# Altium PCB node24.PcbDoc (part 9 of 10)
Units mm, origin at the board's own origin, x right, y up, seen from the top; angles counter-clockwise.
Board outline 177.92 x 177.92 mm, 6 copper layers (L1 - Signal 1 (Top), L2 - Signal 2, L3 - Ground, L4 - Power, L5 - Signal 3, L6 - Signal 4 (Bot)), stack 1.511 mm thick; 721 components, 595 nets, 2782 pads, 2075 vias.
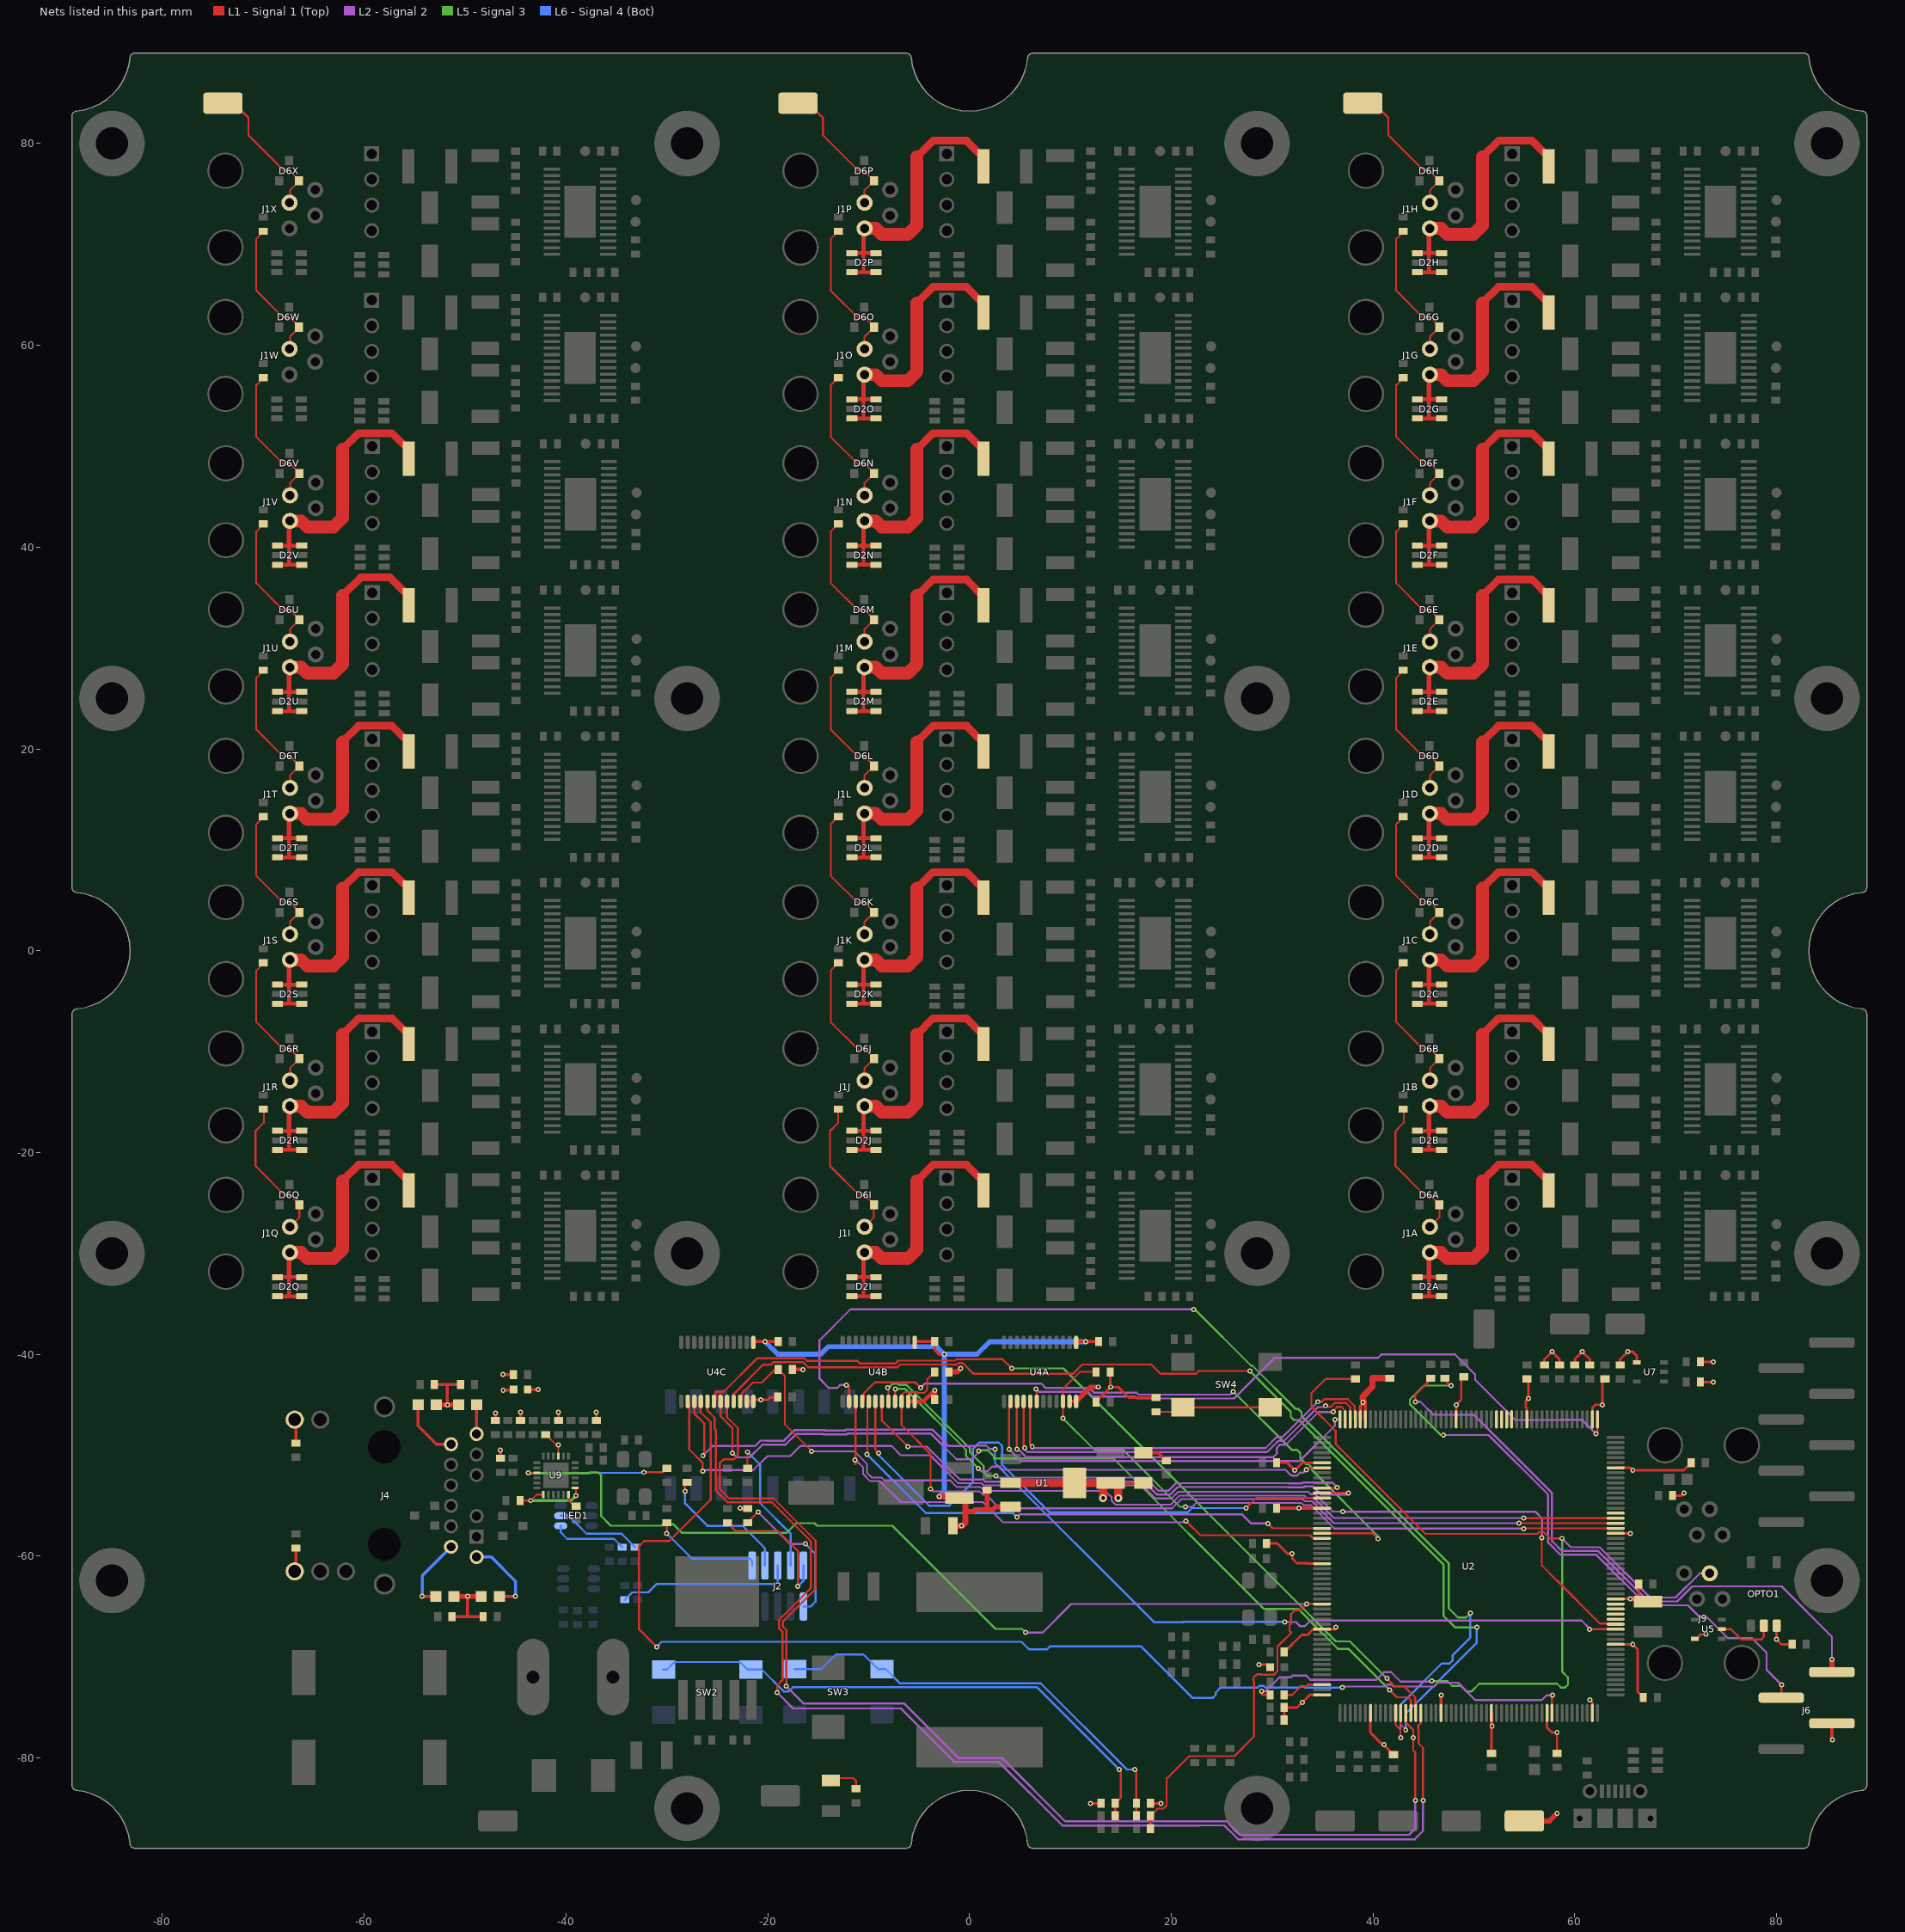
[diagram p13: the nets of this part, all layers, seen from the top]

## Via types
v1: diameter 0.508, hole 0.254, L1 - Signal 1 (Top) to L6 - Signal 4 (Bot), tented both sides, 1661 vias
v2: diameter 0.762, hole 0.381, L1 - Signal 1 (Top) to L6 - Signal 4 (Bot), 403 vias
v3: diameter 0.508, hole 0.254, L1 - Signal 1 (Top) to L6 - Signal 4 (Bot), 11 vias

## Nets (pads, with @x,y where several pads share a name; then routed paths per layer and width w, separated by ;. In a path a pad name is that pad's centre, name@x,y a point inside that pad or via, vN(x,y) a via of type N, cw(c..) or ccw(c..) an arc to the next point about the centre after c; other vN are vias at no path point) (continued)
LED-BANKA-MOSI-3: U2.157 U4A.18 | length 64
  L1 - Signal 1 (Top) w0.203: v1(6.604,-43.434) 6.675,-43.505 U4A.18@6.675,-44.675 ; v1(62.103,-47.879) 62.25,-47.732 U2.157@62.25,-46.45
  L2 - Signal 2 w0.203: v1(6.604,-43.434) 6.903,-43.733 11.739,-43.733 12.209,-44.204 16.426,-44.204 16.606,-44.384 26.224,-44.384 30.24,-40.368 40.479,-40.368 40.832,-40.014 48.137,-40.014 50.135,-42.012 50.135,-42.524 54.119,-46.508 58.598,-46.508 58.624,-46.481 60.705,-46.481 v1(62.103,-47.879)
LED-BANKA-MOSI-4: U2.205 U4A.17 | length 40.2
  L1 - Signal 1 (Top) w0.203: U4A.17@6.025,-44.675 6.025,-48.951 v1(6.223,-49.149) ; v1(34.534,-44.701) 34.932,-44.701 35.183,-44.45 36.038,-44.45 36.043,-44.445 37.494,-44.445 38.182,-45.133 38.182,-46.382 U2.205@38.25,-46.45
  L2 - Signal 2 w0.203: v1(6.223,-49.149) 6.37,-49.296 29.361,-49.296 30.46,-48.197 31.039,-48.197 v1(34.534,-44.701)
LED-BANKA-MOSI-5: U2.206 U4A.16 | length 40.8
  L1 - Signal 1 (Top) w0.203: U4A.16@5.375,-44.675 5.375,-49.19 v1(5.461,-49.276) ; v1(35.306,-45.085) 35.433,-45.212 35.818,-45.212 36.202,-44.828 37.335,-44.828 37.75,-45.243 U2.206@37.75,-46.45
  L2 - Signal 2 w0.203: v1(5.461,-49.276) 5.334,-49.276 5.743,-49.685 29.515,-49.685 30.619,-48.58 31.198,-48.58 34.541,-45.237 35.154,-45.237 v1(35.306,-45.085)
LED-BANKA-MOSI-6: U2.207 U4A.15 | length 41.3
  L1 - Signal 1 (Top) w0.203: v1(4.699,-49.403) 4.699,-44.701 U4A.15@4.725,-44.675 ; v1(36.068,-45.72) 36.068,-45.593 36.449,-45.212 36.873,-45.212 37.25,-45.589 U2.207@37.25,-46.45 U2.207@37.243,-46.45
  L2 - Signal 2 w0.203: v1(4.699,-49.403) 4.699,-49.276 5.611,-50.188 30.133,-50.188 30.464,-49.857 30.464,-49.278 30.778,-48.964 31.357,-48.964 34.601,-45.72 v1(36.068,-45.72)
LED-BANKA-MOSI-7: U2.208 U4A.14 | length 40.2
  L1 - Signal 1 (Top) w0.203: v1(3.937,-49.403) 3.937,-44.813 U4A.14@4.075,-44.675 ; v1(36.227,-46.45) U2.208@36.75,-46.45
  L2 - Signal 2 w0.203: v1(3.937,-49.403) 5.105,-50.571 32.737,-50.571 36.227,-47.081 v1(36.227,-46.45)
LED-BANKA-nOE: R16A.1 U2.138 U4A.22 | length 66.5
  L1 - Signal 1 (Top) w0.18: v1(9.275,-46.35) U4A.22@9.275,-44.675 9.275,-43.43 10.955,-41.75 R16A.1@12.55,-41.75 ; v1(54.939,-57.275) 54.963,-57.25 U2.138@64.05,-57.25
  L2 - Signal 2 w0.18: v1(21.4,-55.125) 22.098,-55.125 22.503,-54.72 32.886,-54.72 33.105,-54.939 33.833,-54.939 36.168,-57.275 v1(54.939,-57.275)
  L5 - Signal 3 w0.18: v1(9.275,-46.35) 12.4,-49.475 15.233,-49.475 20.883,-55.125 v1(21.4,-55.125)
LED-BANKB-MOSI-0: U2.7 U4B.21 | length 48.4
  L1 - Signal 1 (Top) w0.203: U4B.21@-7.375,-44.675 -7.366,-44.666 v1(-7.366,-43.434) ; v1(33.401,-51.435) 33.401,-51.319 33.332,-51.25 U2.7@34.95,-51.25
  L2 - Signal 2 w0.203: v1(0.889,-51.308) 1.188,-51.607 1.779,-51.607 2.253,-51.133 3.015,-51.133 3.335,-51.452 31.322,-51.452 31.86,-51.991 31.983,-51.991 32.028,-52.036 32.472,-52.036 32.786,-51.722 33.114,-51.722 v1(33.401,-51.435)
  L5 - Signal 3 w0.203: v1(-7.366,-43.434) -6.378,-43.434 -0.337,-49.475 -0.337,-50.082 v1(0.889,-51.308)
LED-BANKB-MOSI-1: U2.11 U4B.20 | length 53.3
  L1 - Signal 1 (Top) w0.203: v1(-8.128,-43.307) -8.025,-43.41 U4B.20@-8.025,-44.675 ; U2.11@34.95,-53.25 36.412,-53.25 v1(36.449,-53.213)
  L2 - Signal 2 w0.203: v1(2.634,-52.052) 2.801,-52.219 17.438,-52.219 18.755,-53.536 19.722,-53.536 20.485,-52.773 31.68,-52.773 31.71,-52.803 32.978,-52.803 33.087,-52.694 35.93,-52.694 v1(36.449,-53.213)
  L5 - Signal 3 w0.203: v1(-8.128,-43.307) -7.997,-43.307 -7.588,-42.898 -7.144,-42.898 -6.992,-43.05 -6.22,-43.05 0.046,-49.317 0.046,-49.708 1.425,-51.086 1.425,-51.711 1.767,-52.052 v1(2.634,-52.052)
LED-BANKB-MOSI-2: U2.12 U4B.19 | length 54.8
  L1 - Signal 1 (Top) w0.203: U4B.19@-8.818,-44.818 U4B.19@-8.675,-44.675 -8.675,-46.57 v1(-6.096,-49.149) ; U2.12@34.95,-53.75 36.42,-53.75 36.421,-53.749 v1(37.564,-53.749)
  L2 - Signal 2 w0.203: v1(-6.096,-49.149) -4.221,-49.149 -0.96,-52.41 1.366,-52.41 1.569,-52.612 17.289,-52.612 18.596,-53.919 19.881,-53.919 20.644,-53.157 31.521,-53.157 31.551,-53.187 33.137,-53.187 33.246,-53.078 34.028,-53.078 34.87,-53.919 37.394,-53.919 v1(37.564,-53.749)
LED-BANKB-MOSI-3: U2.13 U4B.18 | length 60.5
  L1 - Signal 1 (Top) w0.203: U4B.18@-9.325,-44.675 -9.325,-49.476 v1(-9.017,-49.784) ; v1(27.432,-55.245) 28.427,-54.25 U2.13@34.95,-54.25
  L6 - Signal 4 (Bot) w0.203: v1(-9.017,-49.784) -9.017,-49.983 -4,-55 -2,-55 0.353,-52.647 0.353,-49.366 0.97,-48.75 2.903,-48.75 3.25,-49.097 3.25,-50.958 7.953,-55.661 21.622,-55.661 22.038,-55.245 v1(27.432,-55.245)
LED-BANKB-MOSI-4: U2.19 U4B.17 | length 53.7
  L1 - Signal 1 (Top) w0.203: v1(-10.16,-49.911) -10.118,-49.869 -10.118,-44.818 U4B.17@-9.975,-44.675 ; v1(29.591,-56.769) 30.072,-57.25 U2.19@34.95,-57.25
  L2 - Signal 2 w0.203: v1(4.699,-56.134) 4.953,-55.88 27.051,-55.88 27.94,-56.769 v1(29.591,-56.769)
  L6 - Signal 4 (Bot) w0.203: v1(-10.16,-49.911) -4.346,-55.725 4.29,-55.725 v1(4.699,-56.134)
LED-BANKB-MOSI-5: U2.20 U4B.16 | length 65.7
  L1 - Signal 1 (Top) w0.203: U4B.16@-10.625,-44.675 -10.482,-44.532 -10.482,-43.883 -9.37,-42.771 -7.906,-42.771 -7.878,-42.799 -5.334,-42.799 v1(-4.826,-43.307) ; U2.20@34.95,-57.75 39.97,-57.75 v1(40.513,-58.293)
  L2 - Signal 2 w0.203: v1(-4.826,-43.307) -4.417,-42.898 7.123,-42.898 7.574,-43.349 11.897,-43.349 12.368,-43.82 16.585,-43.82 16.765,-44 25.85,-44 v1(26.162,-43.688)
  L5 - Signal 3 w0.203: v1(26.162,-43.688) 31.938,-49.464 32.472,-49.464 32.786,-49.778 32.786,-50.312 33.373,-50.899 33.623,-50.899 33.937,-51.213 33.937,-51.463 40.513,-58.039 v1(40.513,-58.293)
LED-BANKB-MOSI-6: U2.21 U4B.15 | length 56.7
  L1 - Signal 1 (Top) w0.203: v1(-11.35,-50.475) -11.35,-50.824 -11.275,-50.899 -11.275,-45.702 -11.231,-45.658 -11.231,-44.719 U4B.15@-11.275,-44.675 ; v1(21.463,-56.515) 22.877,-57.929 33.768,-57.929 34.021,-58.182 34.052,-58.182 34.12,-58.25 U2.21@34.95,-58.25
  L2 - Signal 2 w0.18: v1(-11.35,-50.475) -11.29,-50.475 -10.536,-51.229 -10.536,-51.874 -9.842,-52.568 -8.876,-52.568 -6.79,-54.654 1.339,-54.654 3.343,-56.659 21.319,-56.659 v1(21.463,-56.515)
LED-BANKB-MOSI-7: U2.64 U4B.14 | length 109.2
  L1 - Signal 1 (Top) w0.203: v1(-12.195,-43.046) -12.072,-43.046 -11.925,-43.193 U4B.14@-11.925,-44.675 U4B.14@-11.925,-45.3 ; U2.64@42.25,-75.55 42.25,-76.742 42.714,-77.206 42.714,-77.964 v1(42.75,-78)
  L2 - Signal 2 w0.203: v1(-12.195,-43.046) -12.824,-43.046 -13.113,-43.335 -13.942,-43.335 -14.859,-42.418 -14.859,-38.608 -11.794,-35.543 9.038,-35.543 9.049,-35.532 9.493,-35.532 9.504,-35.543 22.208,-35.543 v1(22.225,-35.56)
  L5 - Signal 3 w0.203: v1(22.225,-35.56) 22.352,-35.56 27.912,-41.12 28.035,-41.12 32.353,-45.438 32.607,-45.438 32.921,-45.752 32.921,-46.129 47.498,-60.706 47.498,-65.151 48.447,-66.1 49.216,-66.1 v1(49.657,-65.659)
  L6 - Signal 4 (Bot) w0.203: v1(42.75,-78) 42.714,-77.964 42.714,-74.761 46.835,-70.64 47.593,-70.64 47.907,-70.326 47.907,-69.882 47.877,-69.852 49.657,-68.072 v1(49.657,-65.659)
LED-BANKB-nOE: R16B.1 U2.139 U4B.22 | length 85.5
  L1 - Signal 1 (Top) w0.18: v1(-3.85,-53.35) -3.85,-49.871 -6.725,-46.996 U4B.22@-6.725,-44.675 -6.725,-44.063 -6.391,-43.729 -5.145,-43.729 -5.043,-43.832 -4.462,-43.832 -4.191,-43.561 -4.191,-42.491 R16B.1@-3.45,-41.75 ; v1(54.49,-56.75) U2.139@64.05,-56.75
  L2 - Signal 2 w0.18: v1(-3.85,-53.35) -3.625,-53.575 0.985,-53.575 1.32,-53.91 1.647,-53.91 2.999,-55.262 20.085,-55.262 20.987,-54.36 33.036,-54.36 33.254,-54.579 33.982,-54.579 36.154,-56.75 v1(54.49,-56.75)
LED-BANKC-MOSI-0: U2.65 U4C.21 | length 106.3
  L1 - Signal 1 (Top) w0.203: U4C.21@-23.375,-44.675 -23.375,-43.949 -20.45,-41.024 -19.672,-41.024 -19.417,-40.768 -16.513,-40.768 -15.976,-41.305 -7.188,-41.305 -6.901,-41.018 -1.583,-41.018 -1.582,-41.019 -1.264,-41.019 -1.111,-40.866 -0.667,-40.866 0.405,-41.938 10.241,-41.938 11.161,-41.018 18.027,-41.018 18.941,-41.932 22.442,-41.932 22.718,-41.656 v1(27.813,-41.656) ; U2.65@42.75,-75.55 42.75,-76.7 43.25,-77.2 v1(43.25,-77.25)
  L5 - Signal 3 w0.203: v1(27.813,-41.656) 31.849,-45.692 31.849,-46.196 32.163,-46.51 32.667,-46.51 46.99,-60.833 46.99,-65.913 48.133,-67.056 v1(50.292,-67.056)
  L6 - Signal 4 (Bot) w0.203: v1(43.25,-77.25) 43.25,-75.622 45.946,-72.926 46.069,-72.926 46.383,-72.612 46.383,-72.489 50.292,-68.58 v1(50.292,-67.056)
LED-BANKC-MOSI-1: U2.66 U4C.20 | length 118.6
  L1 - Signal 1 (Top) w0.203: U4C.20@-24.025,-44.675 -24.025,-46.236 -22.959,-47.302 -22.959,-50.006 -23.372,-50.419 -24.384,-50.419 -24.762,-50.797 -24.762,-53.338 -23.816,-54.285 -23.274,-54.285 -19.423,-54.285 -15.25,-58.458 -15.25,-63.25 -18.5,-66.5 -18.5,-66.988 -18.161,-67.327 v1(-18.161,-72.898) ; U2.66@43.25,-75.55 43.318,-75.618 43.318,-76.56 44,-77.242 v1(44,-78) 44,-79.25 44.196,-79.446 v1(44.196,-84.201)
  L2 - Signal 2 w0.203: v1(-18.161,-72.898) -16.459,-74.6 -6.5,-74.6 -1.093,-80.007 3.207,-80.007 9.486,-86.286 25.486,-86.286 26.827,-87.627 43.564,-87.627 44.196,-86.995 v1(44.196,-84.201)
LED-BANKC-MOSI-2: U2.67 U4C.19 | length 87.2
  L1 - Signal 1 (Top) w0.203: U4C.19@-24.675,-44.675 -24.675,-46.129 -23.495,-47.309 v1(-23.495,-49.784) ; v1(41.656,-73.279) 42.37,-73.993 43.473,-73.993 43.75,-74.27 U2.67@43.75,-75.55
  L2 - Signal 2 w0.203: v1(-23.495,-49.784) -23.136,-50.143 -23.057,-50.222 -21.778,-50.222 -20.492,-48.936 -20.284,-48.936 -20.266,-48.954 -18.234,-48.954 -17.188,-47.908 -14.524,-47.908 -14.51,-47.922 -12.16,-47.922 -12.084,-47.846 -3.842,-47.846 -1.275,-50.413 0.212,-50.413 0.9,-49.724 v1(0.9,-49.577)
  L5 - Signal 3 w0.203: v1(0.9,-49.577) 0.9,-49.59 1.162,-49.59 1.249,-49.502 1.799,-49.502 2.441,-50.144 2.441,-50.32 14.27,-50.32 29.2,-65.25 32.607,-65.25 33.556,-66.199 33.556,-66.225 36.518,-69.187 37.56,-69.187 41.652,-73.279 v1(41.656,-73.279)
LED-BANKC-MOSI-3: U2.68 U4C.18 | length 87.6
  L1 - Signal 1 (Top) w0.203: U4C.18@-25.325,-44.675 -25.182,-44.532 -25.182,-43.718 -24.368,-43.718 -21.035,-40.385 -16.354,-40.385 -16.099,-40.64 -11.129,-40.64 -10.847,-40.922 -7.347,-40.922 -7.06,-40.635 -1.424,-40.635 -1.423,-40.636 -1.27,-40.483 3.272,-40.483 v1(4.191,-41.402) ; v1(41.402,-72.136) 42.187,-72.921 43.097,-72.921 44.196,-74.02 44.196,-75.496 U2.68@44.25,-75.55
  L5 - Signal 3 w0.203: v1(4.191,-41.402) 9.301,-41.402 33.939,-66.04 33.939,-66.066 36.326,-68.453 37.719,-68.453 v1(41.402,-72.136)
LED-BANKC-MOSI-4: U2.69 U4C.17 | length 119.7
  L1 - Signal 1 (Top) w0.203: U4C.17@-25.975,-44.675 -25.975,-45.57 -25.27,-46.275 -25.27,-47.374 -25.146,-47.498 -25.146,-53.497 -23.975,-54.668 -23.433,-54.668 -19.582,-54.668 -15.72,-58.53 -15.72,-63.178 -18.884,-66.341 -18.884,-67.147 -18.545,-67.486 -18.545,-72.295 -19.05,-72.8 v1(-19.05,-73.533) ; U2.69@44.75,-75.55 44.75,-76.535 44.5,-76.785 44.5,-77.25 44.536,-77.286 44.536,-78.572 44.958,-78.994 v1(44.958,-84.201)
  L2 - Signal 2 w0.203: v1(-19.05,-73.533) -17.483,-75.1 -6.8,-75.1 -1.509,-80.391 2.891,-80.391 9.2,-86.7 22.767,-86.7 22.778,-86.689 25.262,-86.689 26.379,-87.807 26.379,-87.813 26.642,-88.076 44.131,-88.076 44.958,-87.249 v1(44.958,-84.201)
LED-BANKC-MOSI-5: U2.95 U4C.16 | length 125.2
  L1 - Signal 1 (Top) w0.203: v1(-31,-69) -32.75,-67.25 -32.75,-59 -32.25,-58.5 -29.75,-58.5 -25.654,-54.404 -25.654,-46.736 -26.625,-45.765 U4C.16@-26.625,-44.675 ; U2.95@57.75,-75.55 57.75,-73.822 v1(57.785,-73.787)
  L2 - Signal 2 w0.203: v1(36.957,-73.025) 37.056,-72.926 41.251,-72.926 41.434,-72.743 41.878,-72.743 42.061,-72.926 42.648,-72.926 42.653,-72.921 43.097,-72.921 43.102,-72.926 46.069,-72.926 46.383,-72.612 46.446,-72.548 48.423,-72.548 50.16,-74.286 56.722,-74.286 57.221,-73.787 v1(57.785,-73.787)
  L6 - Signal 4 (Bot) w0.203: v1(-31,-69) -30.5,-68.5 5.165,-68.5 5.908,-69.243 7.682,-69.243 7.964,-68.961 17.018,-68.961 22.126,-74.069 24.098,-74.069 24.412,-73.755 24.412,-73.523 24.91,-73.025 28.517,-73.025 28.528,-73.036 28.568,-73.036 28.734,-72.87 29.178,-72.87 29.344,-73.036 32.706,-73.036 32.778,-72.964 33.222,-72.964 33.294,-73.036 36.946,-73.036 v1(36.957,-73.025)
LED-BANKC-MOSI-6: U2.118 U4C.15 | length 107
  L1 - Signal 1 (Top) w0.203: U4C.15@-27.275,-44.675 -27.275,-45.877 -26.289,-46.863 -26.289,-49.911 v1(-26.416,-50.038) ; v1(61.468,-67.25) U2.118@64.05,-67.25
  L2 - Signal 2 w0.203: v1(-26.416,-50.038) -25.465,-49.087 -21.241,-49.087 -20.706,-48.552 -20.125,-48.552 -20.107,-48.57 -18.393,-48.57 -17.347,-47.524 -14.366,-47.524 -14.351,-47.539 -12.319,-47.539 -12.242,-47.462 -3.683,-47.462 -2.058,-49.087 0.632,-49.087 0.678,-49.041 1.67,-49.041 2.032,-49.403 v1(2.54,-49.403) ; v1(31.242,-66.548) 31.254,-66.536 32.377,-66.536 32.798,-66.957 33.242,-66.957 33.806,-66.393 60.678,-66.393 61.468,-67.183 v1(61.468,-67.25)
  L6 - Signal 4 (Bot) w0.203: v1(2.54,-49.403) 2.54,-50.79 18.298,-66.548 21.2,-66.548 21.228,-66.52 31.214,-66.52 v1(31.242,-66.548)
LED-BANKC-MOSI-7: U2.119 U4C.14 | length 109.7
  L1 - Signal 1 (Top) w0.18: v1(56.75,-58.2) 56.75,-60.941 58.175,-62.366
  L1 - Signal 1 (Top) w0.203: U4C.14@-27.925,-44.675 -27.94,-44.69 -27.782,-44.848 -27.782,-49.43 -26.45,-50.762 v1(-26.45,-51.575) ; 58.175,-62.366 62.491,-66.682 63.982,-66.682 U2.119@64.05,-66.75
  L2 - Signal 2 w0.18: v1(-26.45,-51.575) -26.35,-51.475 -21.42,-51.475 -20.038,-50.093 -17.762,-50.093 -16.759,-49.09 -7.71,-49.09 -6.8,-50 -3.896,-50 -1.111,-52.785 1.215,-52.785 1.414,-52.984 17.134,-52.984 18.442,-54.292 20.035,-54.292 20.702,-53.625 33.575,-53.625 33.807,-53.857 34.281,-53.857 36.024,-55.6 v1(37,-55.6)
  L2 - Signal 2 w0.203: v1(37,-55.6) 56.1,-55.6 56.75,-56.25 v1(56.75,-58.2)
LED-BANKC-nOE: R16C.1 U2.140 U4C.22 | length 98.8
  L1 - Signal 1 (Top) w0.18: U4C.22@-22.725,-44.675 -22.571,-44.521 -22.571,-43.907 -21.463,-42.799 -20.574,-42.799 -19.275,-41.5 R16C.1@-18.95,-41.5 -18.288,-42.162 -18.288,-46.965 v1(-15.638,-49.615) ; v1(54.939,-56.226) 54.963,-56.25 U2.140@64.05,-56.25
  L2 - Signal 2 w0.18: v1(-15.638,-49.615) -11.41,-49.615 -10.175,-50.85 -10.175,-51.725 -9.692,-52.208 -8.727,-52.208 -8.435,-52.5 -1.906,-52.5 -1.261,-53.146 1.066,-53.146 1.47,-53.55 13.471,-53.55 14.098,-54.177 14.098,-54.52 14.48,-54.902 19.935,-54.902 20.838,-53.999 33.185,-53.999 33.404,-54.218 34.132,-54.218 36.139,-56.226 v1(54.939,-56.226)
LED-BANKD-MOSI-0: U2.120
LED-BANKD-MOSI-1: U2.121
LED-BANKD-MOSI-2: U2.122
LED-BANKD-MOSI-3: U2.123
LED-BANKD-MOSI-4: U2.174
LED-BANKD-MOSI-5: U2.175
LED-BANKD-MOSI-6: U2.176
LED-BANKD-MOSI-7: U2.177
LED-BANKD-nOE: U2.141
LED-G-R: LED1.5 R69.2 | length 8.7
  L6 - Signal 4 (Bot) w0.203: LED1.5@-40.525,-56 -39.751,-56 -38.787,-56.964 -38.778,-56.964 -37.957,-57.785 -34.479,-57.785 R69.2@-33.147,-59.117
LED-R-R: LED1.4 R70.1 | length 7.4
  L6 - Signal 4 (Bot) w0.203: LED1.4@-40.525,-57 -40.525,-57.646 -39.878,-58.293 -35.241,-58.293 R70.1@-34.417,-59.117
MSYNC: R1.2 U2.50 | length 4.2
  L1 - Signal 1 (Top) w0.2: R1.2@31.2,-73.75 32,-73.75 32.466,-73.284 32.466,-73.279 32.82,-72.924 33.394,-72.924 33.568,-72.75 U2.50@34.95,-72.75
NetD6A_2: D6A.2 J1A.3 R57A.1 | length 14.5
  L1 - Signal 1 (Top) w0.18: R57A.1@43.05,-15.7 43.05,-17.05 42.225,-17.875 42.225,-21.325 45.225,-24.325 45.775,-24.325 46.58,-25.13 D6A.2@46.58,-25.2 46.58,-26.435 J1A.3@45.65,-27.365
NetD6B_2: D6B.2 J1B.3 R58A.1 | length 14.5
  L1 - Signal 1 (Top) w0.18: R58A.1@43.05,-1.2 42.3,-1.95 42.3,-7.075 45.05,-9.825 45.75,-9.825 D6B.2@46.58,-10.655 ; J1B.3@45.65,-12.865 45.65,-11.63 D6B.2@46.58,-10.7
NetD6C_2: D6C.2 J1C.3 R59A.1 | length 14.5
  L1 - Signal 1 (Top) w0.18: R59A.1@43.05,13.3 42.3,12.55 42.3,7.425 45.05,4.675 45.75,4.675 D6C.2@46.58,3.845 ; J1C.3@45.65,1.635 45.65,2.87 D6C.2@46.58,3.8
NetD6D_2: D6D.2 J1D.3 R60A.1 | length 14.5
  L1 - Signal 1 (Top) w0.18: R60A.1@43.05,27.8 42.3,27.05 42.3,21.925 45.05,19.175 45.75,19.175 D6D.2@46.58,18.345 ; J1D.3@45.65,16.135 45.65,17.37 D6D.2@46.58,18.3
NetD6E_2: D6E.2 J1E.3 R61A.1 | length 14.5
  L1 - Signal 1 (Top) w0.18: R61A.1@43.05,42.3 42.3,41.55 42.3,36.425 45.05,33.675 45.75,33.675 D6E.2@46.58,32.845 ; J1E.3@45.65,30.635 45.65,31.87 D6E.2@46.58,32.8
NetD6F_2: D6F.2 J1F.3 R62A.1 | length 14.5
  L1 - Signal 1 (Top) w0.18: R62A.1@43.05,56.8 42.3,56.05 42.3,50.925 45.05,48.175 45.75,48.175 D6F.2@46.58,47.345 ; J1F.3@45.65,45.135 45.65,46.37 D6F.2@46.58,47.3
NetD6G_2: D6G.2 J1G.3 R63A.1 | length 14.5
  L1 - Signal 1 (Top) w0.18: R63A.1@43.05,71.3 42.3,70.55 42.3,65.425 45.05,62.675 45.75,62.675 46.58,61.845 D6G.2@46.58,61.8 45.65,60.87 J1G.3@45.65,59.635
NetD6H_2: D6H.2 J1H.3 TP13A.1 | length 14.3
  L1 - Signal 1 (Top) w0.18: TP13A.1@39.05,84 40.075,84 41.525,82.55 41.525,80.825 44.975,77.375 45.505,77.375 D6H.2@46.58,76.3 45.65,75.37 J1H.3@45.65,74.135
NetD6I_2: D6I.2 J1I.3 R57B.1 | length 14.5
  L1 - Signal 1 (Top) w0.18: R57B.1@-13,-15.7 -13,-17.05 -13.825,-17.875 -13.825,-21.325 -10.825,-24.325 -10.275,-24.325 -9.47,-25.13 D6I.2@-9.47,-25.2 -9.47,-26.435 J1I.3@-10.4,-27.365
NetD6J_2: D6J.2 J1J.3 R58B.1 | length 14.5
  L1 - Signal 1 (Top) w0.18: R58B.1@-13,-1.2 -13.75,-1.95 -13.75,-7.075 -11,-9.825 -10.3,-9.825 D6J.2@-9.47,-10.655 ; J1J.3@-10.4,-12.865 -10.4,-11.63 D6J.2@-9.47,-10.7
NetD6K_2: D6K.2 J1K.3 R59B.1 | length 14.5
  L1 - Signal 1 (Top) w0.18: R59B.1@-13,13.3 -13.75,12.55 -13.75,7.425 -11,4.675 -10.3,4.675 D6K.2@-9.47,3.845 ; J1K.3@-10.4,1.635 -10.4,2.87 D6K.2@-9.47,3.8
NetD6L_2: D6L.2 J1L.3 R60B.1 | length 14.5
  L1 - Signal 1 (Top) w0.18: R60B.1@-13,27.8 -13.75,27.05 -13.75,21.925 -11,19.175 -10.3,19.175 D6L.2@-9.47,18.345 ; J1L.3@-10.4,16.135 -10.4,17.37 D6L.2@-9.47,18.3
NetD6M_2: D6M.2 J1M.3 R61B.1 | length 14.5
  L1 - Signal 1 (Top) w0.18: R61B.1@-13,42.3 -13.75,41.55 -13.75,36.425 -11,33.675 -10.3,33.675 D6M.2@-9.47,32.845 ; J1M.3@-10.4,30.635 -10.4,31.87 D6M.2@-9.47,32.8
NetD6N_2: D6N.2 J1N.3 R62B.1 | length 14.5
  L1 - Signal 1 (Top) w0.18: R62B.1@-13,56.8 -13.75,56.05 -13.75,50.925 -11,48.175 -10.3,48.175 D6N.2@-9.47,47.345 ; J1N.3@-10.4,45.135 -10.4,46.37 D6N.2@-9.47,47.3
NetD6O_2: D6O.2 J1O.3 R63B.1 | length 14.5
  L1 - Signal 1 (Top) w0.18: R63B.1@-13,71.3 -13.75,70.55 -13.75,65.425 -11,62.675 -10.3,62.675 -9.47,61.845 D6O.2@-9.47,61.8 -10.4,60.87 J1O.3@-10.4,59.635
NetD6P_2: D6P.2 J1P.3 TP13B.1 | length 14.3
  L1 - Signal 1 (Top) w0.18: TP13B.1@-17,84 -15.975,84 -14.525,82.55 -14.525,80.825 -11.075,77.375 -10.545,77.375 D6P.2@-9.47,76.3 -10.4,75.37 J1P.3@-10.4,74.135
NetD6Q_2: D6Q.2 J1Q.3 R57C.1 | length 14.5
  L1 - Signal 1 (Top) w0.18: R57C.1@-69.95,-15.7 -69.95,-17.05 -70.775,-17.875 -70.775,-21.325 -67.775,-24.325 -67.225,-24.325 -66.42,-25.13 D6Q.2@-66.42,-25.2 -66.42,-26.435 J1Q.3@-67.35,-27.365
NetD6R_2: D6R.2 J1R.3 R58C.1 | length 14.5
  L1 - Signal 1 (Top) w0.18: R58C.1@-69.95,-1.2 -70.7,-1.95 -70.7,-7.075 -67.95,-9.825 -67.25,-9.825 D6R.2@-66.42,-10.655 ; J1R.3@-67.35,-12.865 -67.35,-11.63 D6R.2@-66.42,-10.7